# Altium PCB Graviton-EC2.PcbDoc (part 11 of 12) (continued)
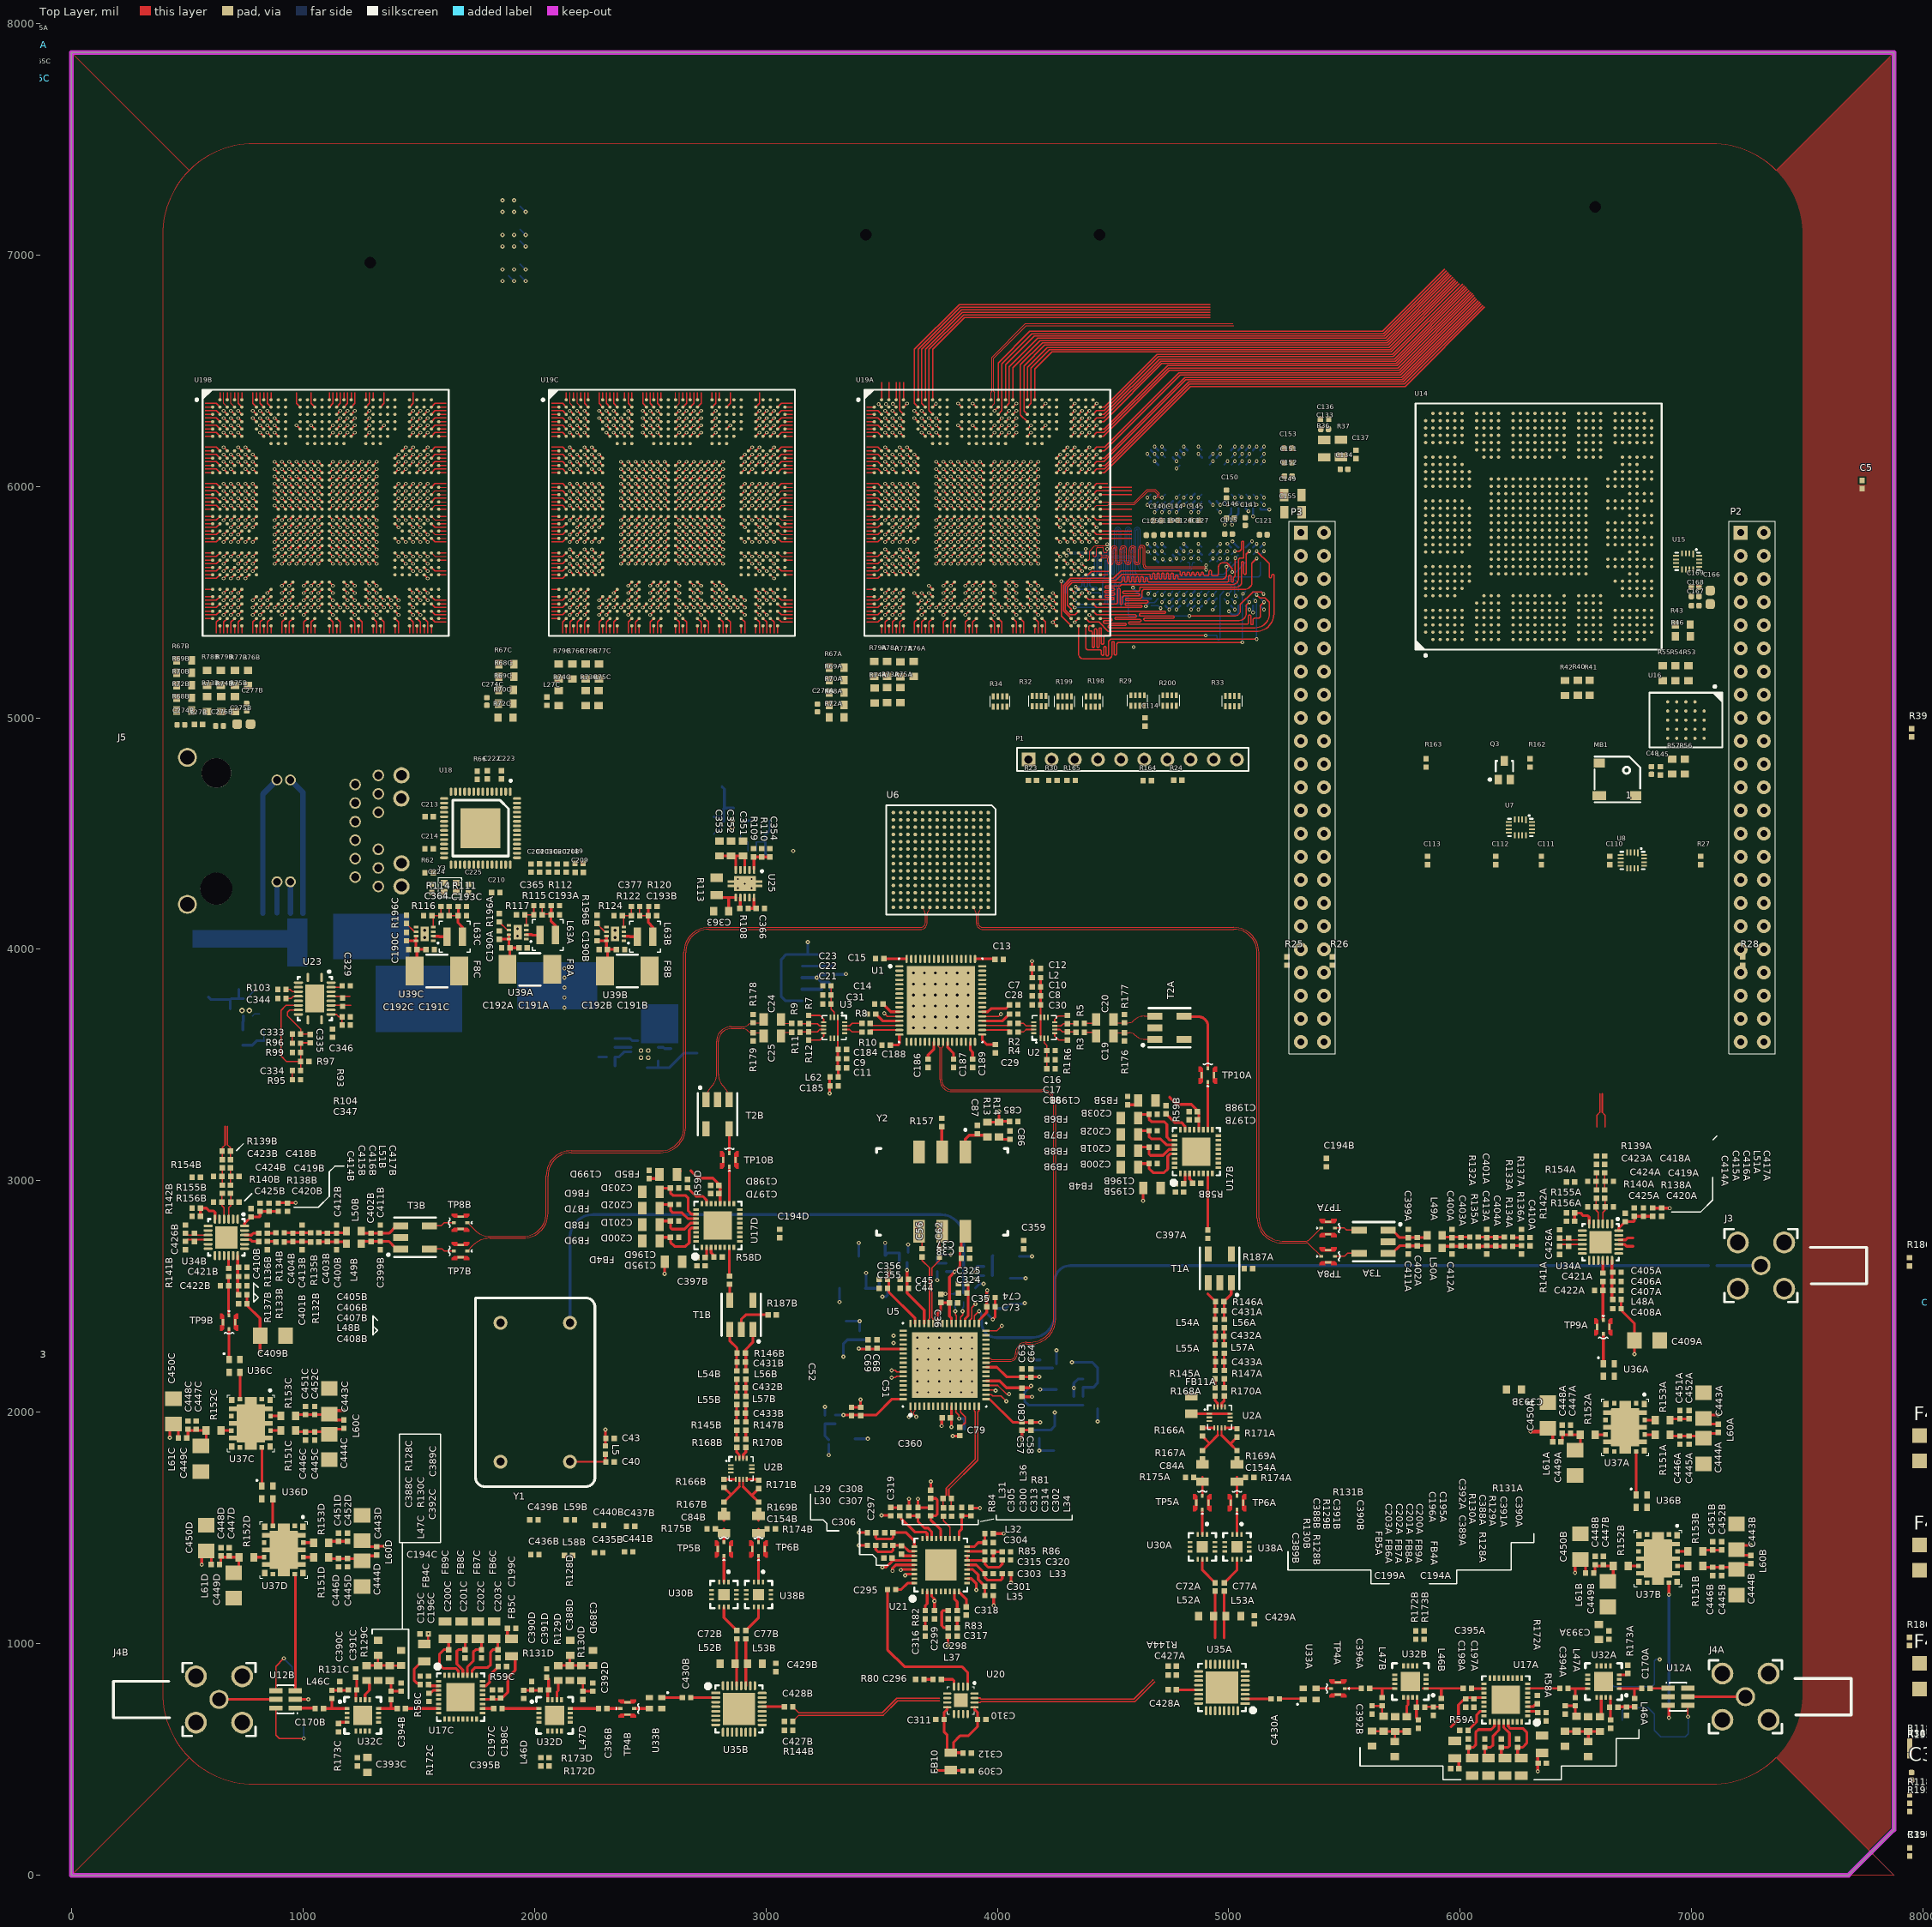
[diagram p0: Top Layer view]
## Nets (pads, with @x,y where several pads share a name; then routed paths per layer and width w, separated by ;. In a path a pad name is that pad's centre, name@x,y a point inside that pad or via, vN(x,y) a via of type N, cw(c..) or ccw(c..) an arc to the next point about the centre after c; other vN are vias at no path point) (continued)
TX2-BANK4-DA16.A0: U19C.AM28 | length 32.1
  Top Layer w4.72: 2956.69,5365.55 U19C.AM28@2956.69,5397.64
TX2-BANK4-DA16.A1: U19C.AM29 | length 32.1
  Top Layer w4.72: 2988.19,5365.55 U19C.AM29@2988.19,5397.64
TX2-BANK4-DA16.A2: U19C.AL28 | length 70.1
  Top Layer w4.72: U19C.AL28@2956.69,5429.13 2972.44,5413.39 2972.44,5365.55
TX2-BANK4-DA16.A3: U19C.AK28 | length 22.3
  Top Layer w5: U19C.AK28@2956.69,5460.63 v1(2972.44,5444.88)
TX2-BANK4-DA16.A4: U19C.AK32 | length 32.1
  Top Layer w4.72: U19C.AK32@3082.68,5460.63 3114.76,5460.63
TX2-BANK4-DA16.A5: U19C.AJ32 | length 32.1
  Top Layer w4.72: U19C.AJ32@3082.68,5492.13 3114.76,5492.13
TX2-BANK4-DA16.A6: U19C.AM30 | length 32.1
  Top Layer w4.72: 3019.69,5365.55 U19C.AM30@3019.69,5397.64
TX2-BANK4-DA16.A7: U19C.AL30 | length 70.1
  Top Layer w4.72: U19C.AL30@3019.69,5429.13 3035.43,5413.39 3035.43,5365.55
TX2-BANK4-DA16.A8: U19C.AK31 | length 70.1
  Top Layer w4.72: U19C.AK31@3051.18,5460.63 3066.93,5444.88 3114.76,5444.88
TX2-BANK4-DA16.A9: U19C.AJ31 | length 70.1
  Top Layer w4.72: U19C.AJ31@3051.18,5492.13 3066.93,5476.38 3114.76,5476.38
TX2-BANK4-DA16.A10: U19C.AM31 | length 32.1
  Top Layer w4.72: 3051.18,5365.55 U19C.AM31@3051.18,5397.64
TX2-BANK4-DA16.A11: U19C.AL32 | length 32.1
  Top Layer w4.72: U19C.AL32@3082.68,5429.13 3114.76,5429.13
TX2-BANK4-DA16.A12: U19C.AG28 | length 22.3
  Top Layer w5: U19C.AG28@2956.69,5555.12 v1(2972.44,5539.37)
TX2-BANK4-DA16.A13: U19C.AG29 | length 22.3
  Top Layer w5: U19C.AG29@2988.19,5555.12 v1(3003.94,5539.37)
TX2-BANK4-DA16.A14: U19C.AJ28 | length 22.3
  Top Layer w5: U19C.AJ28@2956.69,5492.13 v1(2972.44,5476.38)
TX2-BANK4-DA16.A15: U19C.AH28 | length 22.3
  Top Layer w5: U19C.AH28@2956.69,5523.62 v1(2972.44,5507.87)
TX2-BANK4-DB3.B0: U19C.AH30 | length 22.3
  Top Layer w5: U19C.AH30@3019.68,5523.62 v1(3035.43,5507.87)
TX2-BANK4-DB3.B1: U19C.AG30 | length 22.3
  Top Layer w5: U19C.AG30@3019.68,5555.12 v1(3035.43,5539.37)
TX2-BANK4-DB3.B2: U19C.AK29 | length 22.3
  Top Layer w5: U19C.AK29@2988.19,5460.63 v1(3003.94,5444.88)
TX2-DDRCC6.S0: U19C.P5 | length 22.3
  Top Layer w5: v1(2216.54,5980.32) U19C.P5@2232.28,5964.57
TX2-DDRCC6.S1: U19C.P4 | length 22.3
  Top Layer w5: v1(2185.04,5980.32) U19C.P4@2200.79,5964.57
TX2-DDRCC6.S2: U19C.R7 | length 22.3
  Top Layer w5: v1(2279.53,5948.82) U19C.R7@2295.28,5933.07
TX2-DDRCC6.S3: U19C.T7 | length 22.3
  Top Layer w5: v1(2279.53,5917.32) U19C.T7@2295.28,5901.57
TX2-DDRCC6.S4: U19C.R6 | length 22.3
  Top Layer w5: v1(2248.03,5948.82) U19C.R6@2263.78,5933.07
TX2-DDRCC6.S5: U19C.T6 | length 22.3
  Top Layer w5: v1(2248.03,5917.32) U19C.T6@2263.78,5901.57
TX2-DDRCC6.S6: U19C.U6 | length 22.3
  Top Layer w5: v1(2248.03,5854.33) U19C.U6@2263.78,5870.08
TX2-DDRCC6.S7: U19C.U7 | length 22.3
  Top Layer w5: v1(2279.53,5854.33) U19C.U7@2295.28,5870.08
TX2-DDRCC6.S8: U19C.R4 | length 22.3
  Top Layer w5: v1(2185.04,5948.82) U19C.R4@2200.79,5933.07
TX2-DDRCC6.S9: U19C.T5 | length 22.3
  Top Layer w5: v1(2216.54,5917.32) U19C.T5@2232.28,5901.57
TX2-DDRCC6.S10: U19C.T4 | length 22.3
  Top Layer w5: v1(2185.04,5917.32) U19C.T4@2200.79,5901.57
TX2-DDRCC6.S11: U19C.U5 | length 22.3
  Top Layer w5: v1(2216.54,5854.33) U19C.U5@2232.28,5870.08
TX2-DDRCC6.S12: U19C.U4 | length 22.3
  Top Layer w5: v1(2185.04,5854.33) U19C.U4@2200.79,5870.08
TX2-DDRCC6.S13: U19C.V6 | length 22.3
  Top Layer w5: v1(2248.03,5822.83) U19C.V6@2263.78,5838.58
TX2-DDRCC6.S14: U19C.V7 | length 22.3
  Top Layer w5: v1(2279.53,5822.83) U19C.V7@2295.28,5838.58
TX2-DDRCC6.S15: U19C.P2 | length 70.1
  Top Layer w4.72: 2074.21,5980.32 2122.05,5980.32 U19C.P2@2137.8,5964.57
TX2-DDRCC6.S16: U19C.P3 | length 22.3
  Top Layer w5: v1(2153.54,5980.32) U19C.P3@2169.29,5964.57
TX2-DDRCC6.S40: U19C.AB6 | length 22.3
  Top Layer w5: v1(2248.03,5728.35) U19C.AB6@2263.78,5712.6
TX2-DDRCC6.S41: U19C.AC7 | length 22.3
  Top Layer w5: v1(2279.53,5665.35) U19C.AC7@2295.28,5681.1
TX2-DDRCC6.S42: U19C.AD7 | length 22.3
  Top Layer w5: v1(2279.53,5633.86) U19C.AD7@2295.28,5649.61
TX2-DDRCC6.S43: U19C.AD6 | length 22.3
  Top Layer w5: v1(2248.03,5665.35) U19C.AD6@2263.78,5649.61
TX2-DDRCC6.S44: U19C.AE6 | length 22.3
  Top Layer w5: v1(2248.03,5633.86) U19C.AE6@2263.78,5618.11
TX2-DDRCC6.S45: U19C.AE5 | length 22.3
  Top Layer w5: v1(2216.54,5633.86) U19C.AE5@2232.28,5618.11
TX2-DDRCC6.S46: U19C.AE4 | length 22.3
  Top Layer w5: v1(2185.04,5633.86) U19C.AE4@2200.79,5618.11
TX-SWA: R186A.1 U11A.7 U12A.4 | length 555
  Top Layer w4.72: v3@6983.27,685.04 U12A.4@6983.27,734.25
  Bottom Layer w4.72: U11A.7@6699.41,669.15 6699.41,711.22 6712.6,724.41 6811.02,724.41 6838.58,696.85 6838.58,625.98 6866.14,598.43 6972.44,598.43 6984.25,610.24 v3(6984.25,685.04)
TX-SWB: R186B.1 U11B.7 U12B.4 | length 243.9
  Top Layer w4.72: U12B.4@882.87,797.24 882.87,902.56 v3(917.32,937.01)
  Bottom Layer w4.72: v3(917.32,937.01) 954.13,900.2 U11B.7@954.13,862.34
TXBBICA_N: C410A.1 R134A.2 R136A.1 U34A.22 | length 99.4
  Top Layer w11.81: R134A.2@6228.74,2719.69 R136A.1@6263.78,2719.69 ; U34A.22@6685.04,2745.08 6714.57,2745.08 6722.64,2753.15 6746.06,2753.15
TXBBICA_P: C410A.2 R133A.2 R137A.2 U34A.21 | length 99.4
  Top Layer w11.81: R133A.2@6228.74,2754.72 R137A.2@6263.78,2754.72 ; U34A.21@6685.04,2725.39 6710.63,2725.39 6718.7,2717.32 6746.06,2717.32
TXBBICB_N: C410B.1 R134B.2 R136B.1 U34B.22 | length 99.4
  Top Layer w11.81: U34B.22@748.03,2765.75 777.56,2765.75 785.63,2773.82 C410B.1@809.06,2773.82 ; R136B.1@846.46,2773.43 R134B.2@881.5,2773.43
TXBBICB_P: C410B.2 R133B.2 R137B.2 U34B.21 | length 99.4
  Top Layer w11.81: U34B.21@748.03,2746.06 773.62,2746.06 781.69,2737.99 C410B.2@809.06,2737.99 ; R137B.2@846.46,2738.39 R133B.2@881.5,2738.39
TXLO0_N: C423A.2 R139A.1 R188.1 U20.14 | length 960.1
  Top Layer w5.98: U20.14@3905.51,746.06 3926.22,746.06 3930.57,750.41 4594.69,750.41 4680.01,835.74 ; 6590.35,3268.7 6590.35,3283.5 6602.78,3295.93 6602.78,3375.98 ; 6590.55,3232.48 6590.55,3268.5
TXLO0_P: C418A.2 R139A.2 R143.1 U20.15 | length 951
  Top Layer w5.98: U20.15@3905.51,765.75 3926.22,765.75 3930.57,761.4 4590.14,761.4 4672.24,843.5 ; 6613.76,3375.98 6613.76,3295.93 6626.18,3283.5 6626.18,3268.7 ; 6625.98,3232.48 6625.98,3268.5
TXLO1_N: C423B.2 R139B.1 R189.1 U20.12 | length 148.5
  Top Layer w5.98: R139B.1@651.38,3127.95 651.38,3142.76 663.8,3155.18 663.8,3235.24 ; C423B.2@651.57,3091.73 R139B.1@651.57,3127.76
TXLO1_P: C418B.2 R139B.2 R190.1 U20.11 | length 148.5
  Top Layer w5.98: 674.78,3235.24 674.78,3155.18 687.2,3142.76 R139B.2@687.2,3127.95 ; C418B.2@687.01,3091.73 R139B.2@687.01,3127.76
TXLOICA_N: C425A.2 R140A.2 U34A.4 | length 113.2
  Top Layer w5.98: R140A.2@6586.81,2923.23 C425A.2@6586.81,2887.8 6586.81,2872.99 6596.46,2863.35 U34A.4@6596.46,2813.98
TXLOICA_P: C420A.2 R138A.2 U34A.3 | length 113.2
  Top Layer w5.98: U34A.3@6616.14,2813.98 6616.14,2863.35 6625.79,2872.99 C420A.2@6625.79,2887.8 R138A.2@6625.79,2923.23
TXLOICB_N: C425B.2 R140B.2 U34B.4 | length 113.2
  Top Layer w5.98: R140B.2@649.8,2943.9 C425B.2@649.8,2908.46 649.8,2893.66 659.45,2884.02 U34B.4@659.45,2834.65
TXLOICB_P: C420B.2 R138B.2 U34B.3 | length 113.2
  Top Layer w5.98: U34B.3@679.13,2834.65 679.13,2884.02 688.78,2893.66 C420B.2@688.78,2908.46 R138B.2@688.78,2943.9
TXPA-INA: TP9A.A U36A.1 | length 135.8
  Top Layer w11.81: U36A.1@6618.11,2203.74 TP9A.A@6618.11,2339.57
TXPA-INB: U36B.1 U37A.16 | length 187.2
  Top Layer w11.81: U36B.1@6759.84,1643.7 U37A.16@6759.84,1826.77 ; U37A.16@6759.84,1830.71 U37A.16@6762.8,1827.76
TXPA-INC: TP9B.A U36C.1 | length 135.8
  Top Layer w11.81: U36C.1@681.1,2224.41 TP9B.A@681.1,2360.24
TXPA-IND: U36D.1 U37C.16 | length 167.3
  Top Layer w11.81: U36D.1@822.83,1681.1 U37C.16@822.83,1848.43
UART0-RX: P2.18
UART0-TX: P2.17
V0V75: U19A.J7 U19B.J7 U19C.J7 | length 66.8
  Top Layer w5: v1(783.46,6137.8) U19B.J7@799.21,6122.05 ; v1(2279.53,6137.8) U19C.J7@2295.28,6122.05 ; v1(3641.73,6137.8) U19A.J7@3657.48,6122.05
VCC-CORE: C172.2 C173.2 C174.2 C175.2 C176.2 C177.2 C178.2 C179.2 C180.2 C181.2 C182.2 C183.2 L18.2 U14.AA12 U14.AA13 U14.AA14 U14.AA15 U14.AA16 U14.AA17 U14.AA18 U14.AA19 U14.AA20 U14.AA21 U14.M12 U14.M13 U14.M14 U14.M15 U14.M16 U14.M17 U14.M18 U14.M19 U14.M20 U14.M21 U14.N12 U14.N21 U14.P12 U14.P21 U14.R12 U14.R21 U14.T12 U14.T21 U14.U12 U14.U21 U14.V12 U14.V21 U14.W12 U14.W21 U14.Y12 U14.Y21
VCC-COREA: C279A.2 C284A.2 C285A.2 C286A.2 C287A.2 C288A.2 C289A.2 C290A.2 C291A.2 C292A.2 C293A.2 C294A.2 L28A.2 U19A.AA12 U19A.AA13 U19A.AA14 U19A.AA15 U19A.AA16 U19A.AA17 U19A.AA18 U19A.AA19 U19A.AA20 U19A.AA21 U19A.M12 U19A.M13 U19A.M14 U19A.M15 U19A.M16 U19A.M17 U19A.M18 U19A.M19 U19A.M20 U19A.M21 U19A.N12 U19A.N21 U19A.P12 U19A.P21 U19A.R12 U19A.R21 U19A.T12 U19A.T21 U19A.U12 U19A.U21 U19A.V12 U19A.V21 U19A.W12 U19A.W21 U19A.Y12 U19A.Y21 | length 801.8
  Top Layer w5: v1(3799.21,5728.35) U19A.AA12@3814.96,5744.09 ; v1(3799.21,5759.84) U19A.Y12@3814.96,5775.59 ; v1(3799.21,5791.34) U19A.W12@3814.96,5807.09 ; v1(3799.21,5822.83) U19A.V12@3814.96,5838.58 ; v1(3799.21,5854.33) U19A.U12@3814.96,5870.08 ; v1(3799.21,5917.32) U19A.T12@3814.96,5901.57 ; v1(3799.21,5948.82) U19A.R12@3814.96,5933.07 ; v1(3799.21,5980.32) U19A.P12@3814.96,5964.57 ; v1(3799.21,6011.81) U19A.N12@3814.96,5996.06 ; v1(3799.21,6043.31) U19A.M12@3814.96,6027.56 ; v1(3830.71,5728.35) U19A.AA13@3846.46,5744.09 ; v1(3830.71,6043.31) U19A.M13@3846.46,6027.56 ; v1(3862.2,5728.35) U19A.AA14@3877.95,5744.09 ; v1(3862.2,6043.31) U19A.M14@3877.95,6027.56 ; v1(3893.7,5728.35) U19A.AA15@3909.45,5744.09 ; v1(3893.7,6043.31) U19A.M15@3909.45,6027.56 ; v1(3925.2,5728.35) U19A.AA16@3940.94,5744.09 ; v1(3925.2,6043.31) U19A.M16@3940.94,6027.56 ; U19A.AA17@3972.44,5744.09 v1(3988.19,5728.35) ; U19A.M17@3972.44,6027.56 v1(3988.19,6043.31) ; U19A.AA18@4003.94,5744.09 v1(4019.68,5728.35) ; U19A.M18@4003.94,6027.56 v1(4019.68,6043.31) ; U19A.AA19@4035.43,5744.09 v1(4051.18,5728.35) ; U19A.M19@4035.43,6027.56 v1(4051.18,6043.31) ; U19A.AA20@4066.93,5744.09 v1(4082.68,5728.35) ; U19A.M20@4066.93,6027.56 v1(4082.68,6043.31) ; U19A.AA21@4098.43,5744.09 v1(4114.17,5728.35) ; U19A.Y21@4098.43,5775.59 v1(4114.17,5759.84) ; U19A.W21@4098.43,5807.09 v1(4114.17,5791.34) ; U19A.V21@4098.43,5838.58 v1(4114.17,5822.83) ; U19A.U21@4098.43,5870.08 v1(4114.17,5854.33) ; U19A.T21@4098.43,5901.57 v1(4114.17,5917.32) ; U19A.R21@4098.43,5933.07 v1(4114.17,5948.82) ; U19A.P21@4098.43,5964.57 v1(4114.17,5980.32) ; U19A.N21@4098.43,5996.06 v1(4114.17,6011.81) ; U19A.M21@4098.43,6027.56 v1(4114.17,6043.31)
VCC-COREB: C279B.2 C284B.2 C285B.2 C286B.2 C287B.2 C288B.2 C289B.2 C290B.2 C291B.2 C292B.2 C293B.2 C294B.2 L28B.2 U19B.AA12 U19B.AA13 U19B.AA14 U19B.AA15 U19B.AA16 U19B.AA17 U19B.AA18 U19B.AA19 U19B.AA20 U19B.AA21 U19B.M12 U19B.M13 U19B.M14 U19B.M15 U19B.M16 U19B.M17 U19B.M18 U19B.M19 U19B.M20 U19B.M21 U19B.N12 U19B.N21 U19B.P12 U19B.P21 U19B.R12 U19B.R21 U19B.T12 U19B.T21 U19B.U12 U19B.U21 U19B.V12 U19B.V21 U19B.W12 U19B.W21 U19B.Y12 U19B.Y21 | length 801.8
  Top Layer w10: v1(940.94,5728.35) U19B.AA12@956.69,5744.09 ; v1(940.94,5759.84) U19B.Y12@956.69,5775.59 ; v1(940.94,5791.34) U19B.W12@956.69,5807.09 ; v1(940.94,5822.83) U19B.V12@956.69,5838.58 ; v1(940.94,5854.33) U19B.U12@956.69,5870.08 ; v1(940.94,5917.32) U19B.T12@956.69,5901.57 ; v1(940.94,5948.82) U19B.R12@956.69,5933.07 ; v1(940.94,5980.32) U19B.P12@956.69,5964.57 ; v1(940.94,6011.81) U19B.N12@956.69,5996.06 ; v1(940.94,6043.31) U19B.M12@956.69,6027.56 ; v1(972.44,5728.35) U19B.AA13@988.19,5744.09 ; v1(972.44,6043.31) U19B.M13@988.19,6027.56 ; v1(1003.94,5728.35) U19B.AA14@1019.68,5744.09 ; v1(1003.94,6043.31) U19B.M14@1019.68,6027.56 ; v1(1035.43,5728.35) U19B.AA15@1051.18,5744.09 ; v1(1035.43,6043.31) U19B.M15@1051.18,6027.56 ; v1(1066.93,5728.35) U19B.AA16@1082.68,5744.09 ; v1(1066.93,6043.31) U19B.M16@1082.68,6027.56 ; U19B.AA17@1114.17,5744.09 v1(1129.92,5728.35) ; U19B.M17@1114.17,6027.56 v1(1129.92,6043.31) ; U19B.AA18@1145.67,5744.09 v1(1161.42,5728.35) ; U19B.M18@1145.67,6027.56 v1(1161.42,6043.31) ; U19B.AA19@1177.17,5744.09 v1(1192.91,5728.35) ; U19B.M19@1177.17,6027.56 v1(1192.91,6043.31) ; U19B.AA20@1208.66,5744.09 v1(1224.41,5728.35) ; U19B.M20@1208.66,6027.56 v1(1224.41,6043.31) ; U19B.AA21@1240.16,5744.09 v1(1255.91,5728.35) ; U19B.Y21@1240.16,5775.59 v1(1255.91,5759.84) ; U19B.W21@1240.16,5807.09 v1(1255.91,5791.34) ; U19B.V21@1240.16,5838.58 v1(1255.91,5822.83) ; U19B.U21@1240.16,5870.08 v1(1255.91,5854.33) ; U19B.T21@1240.16,5901.57 v1(1255.91,5917.32) ; U19B.R21@1240.16,5933.07 v1(1255.91,5948.82) ; U19B.P21@1240.16,5964.57 v1(1255.91,5980.32) ; U19B.N21@1240.16,5996.06 v1(1255.91,6011.81) ; U19B.M21@1240.16,6027.56 v1(1255.91,6043.31)
VCC-COREC: C279C.2 C284C.2 C285C.2 C286C.2 C287C.2 C288C.2 C289C.2 C290C.2 C291C.2 C292C.2 C293C.2 C294C.2 L28C.2 U19C.AA12 U19C.AA13 U19C.AA14 U19C.AA15 U19C.AA16 U19C.AA17 U19C.AA18 U19C.AA19 U19C.AA20 U19C.AA21 U19C.M12 U19C.M13 U19C.M14 U19C.M15 U19C.M16 U19C.M17 U19C.M18 U19C.M19 U19C.M20 U19C.M21 U19C.N12 U19C.N21 U19C.P12 U19C.P21 U19C.R12 U19C.R21 U19C.T12 U19C.T21 U19C.U12 U19C.U21 U19C.V12 U19C.V21 U19C.W12 U19C.W21 U19C.Y12 U19C.Y21 | length 801.8
  Top Layer w10: v1(2437.01,5728.35) U19C.AA12@2452.76,5744.09 ; v1(2437.01,5759.84) U19C.Y12@2452.76,5775.59 ; v1(2437.01,5791.34) U19C.W12@2452.76,5807.09 ; v1(2437.01,5822.83) U19C.V12@2452.76,5838.58 ; v1(2437.01,5854.33) U19C.U12@2452.76,5870.08 ; v1(2437.01,5917.32) U19C.T12@2452.76,5901.57 ; v1(2437.01,5948.82) U19C.R12@2452.76,5933.07 ; v1(2437.01,5980.32) U19C.P12@2452.76,5964.57 ; v1(2437.01,6011.81) U19C.N12@2452.76,5996.06 ; v1(2437.01,6043.31) U19C.M12@2452.76,6027.56 ; v1(2468.5,5728.35) U19C.AA13@2484.25,5744.09 ; v1(2468.5,6043.31) U19C.M13@2484.25,6027.56 ; v1(2500,5728.35) U19C.AA14@2515.75,5744.09 ; v1(2500,6043.31) U19C.M14@2515.75,6027.56 ; v1(2531.5,5728.35) U19C.AA15@2547.24,5744.09 ; v1(2531.5,6043.31) U19C.M15@2547.24,6027.56 ; v1(2562.99,5728.35) U19C.AA16@2578.74,5744.09 ; v1(2562.99,6043.31) U19C.M16@2578.74,6027.56 ; U19C.AA17@2610.24,5744.09 v1(2625.98,5728.35) ; U19C.M17@2610.24,6027.56 v1(2625.98,6043.31) ; U19C.AA18@2641.73,5744.09 v1(2657.48,5728.35) ; U19C.M18@2641.73,6027.56 v1(2657.48,6043.31) ; U19C.AA19@2673.23,5744.09 v1(2688.98,5728.35) ; U19C.M19@2673.23,6027.56 v1(2688.98,6043.31) ; U19C.AA20@2704.72,5744.09 v1(2720.47,5728.35) ; U19C.M20@2704.72,6027.56 v1(2720.47,6043.31) ; U19C.AA21@2736.22,5744.09 v1(2751.97,5728.35) ; U19C.Y21@2736.22,5775.59 v1(2751.97,5759.84) ; U19C.W21@2736.22,5807.09 v1(2751.97,5791.34) ; U19C.V21@2736.22,5838.58 v1(2751.97,5822.83) ; U19C.U21@2736.22,5870.08 v1(2751.97,5854.33) ; U19C.T21@2736.22,5901.57 v1(2751.97,5917.32) ; U19C.R21@2736.22,5933.07 v1(2751.97,5948.82) ; U19C.P21@2736.22,5964.57 v1(2751.97,5980.32) ; U19C.N21@2736.22,5996.06 v1(2751.97,6011.81) ; U19C.M21@2736.22,6027.56 v1(2751.97,6043.31)
VCCIO0A: C227A.2 C228A.2 C229A.2 C230A.2 C231A.2 L20A.1 U19A.K12 U19A.K14 U19A.K15 U19A.K16 | length 89.1
  Top Layer w5: v1(3799.21,6106.3) U19A.K12@3814.96,6090.55 ; v1(3862.2,6106.3) U19A.K14@3877.95,6090.55 ; v1(3893.7,6106.3) U19A.K15@3909.45,6090.55 ; v1(3925.2,6106.3) U19A.K16@3940.94,6090.55
VCCIO0B: C227B.2 C228B.2 C229B.2 C230B.2 C231B.2 L20B.1 U19B.K12 U19B.K14 U19B.K15 U19B.K16 | length 89.1
  Top Layer w5: v1(940.94,6106.3) U19B.K12@956.69,6090.55 ; v1(1003.94,6106.3) U19B.K14@1019.68,6090.55 ; v1(1035.43,6106.3) U19B.K15@1051.18,6090.55 ; v1(1066.93,6106.3) U19B.K16@1082.68,6090.55
VCCIO0C: C227C.2 C228C.2 C229C.2 C230C.2 C231C.2 L20C.1 U19C.K12 U19C.K14 U19C.K15 U19C.K16 | length 89.1
  Top Layer w5: v1(2437.01,6106.3) U19C.K12@2452.76,6090.55 ; v1(2500,6106.3) U19C.K14@2515.75,6090.55 ; v1(2531.5,6106.3) U19C.K15@2547.24,6090.55 ; v1(2562.99,6106.3) U19C.K16@2578.74,6090.55
VCCIO1A: C233A.2 C234A.2 C235A.2 C236A.2 C237A.2 L21A.1 U19A.K17 U19A.K18 U19A.K19 U19A.K21 | length 89.1
  Top Layer w5: U19A.K17@3972.44,6090.55 v1(3988.19,6106.3) ; U19A.K18@4003.94,6090.55 v1(4019.68,6106.3) ; U19A.K19@4035.43,6090.55 v1(4051.18,6106.3) ; U19A.K21@4098.43,6090.55 v1(4114.17,6106.3)
VCCIO1B: C233B.2 C234B.2 C235B.2 C236B.2 C237B.2 L21B.1 U19B.K17 U19B.K18 U19B.K19 U19B.K21 | length 89.1
  Top Layer w5: U19B.K17@1114.17,6090.55 v1(1129.92,6106.3) ; U19B.K18@1145.67,6090.55 v1(1161.42,6106.3) ; U19B.K19@1177.17,6090.55 v1(1192.91,6106.3) ; U19B.K21@1240.16,6090.55 v1(1255.91,6106.3)
VCCIO1C: C233C.2 C234C.2 C235C.2 C236C.2 C237C.2 L21C.1 U19C.K17 U19C.K18 U19C.K19 U19C.K21 | length 89.1
  Top Layer w5: U19C.K17@2610.24,6090.55 v1(2625.98,6106.3) ; U19C.K18@2641.73,6090.55 v1(2657.48,6106.3) ; U19C.K19@2673.23,6090.55 v1(2688.98,6106.3) ; U19C.K21@2736.22,6090.55 v1(2751.97,6106.3)
VCCIO2: C161.2 C162.2 C163.2 C164.2 C165.2 L17.1 U14.M23 U14.P23 U14.R23 U14.T23
VCCIO2A: C239A.2 C240A.2 C241A.2 C242A.2 C243A.2 L22A.1 U19A.M23 U19A.P23 U19A.R23 U19A.T23 | length 89.1
  Top Layer w5: U19A.T23@4161.42,5901.57 v1(4177.17,5917.32) ; U19A.R23@4161.42,5933.07 v1(4177.17,5948.82) ; U19A.P23@4161.42,5964.57 v1(4177.17,5980.32) ; U19A.M23@4161.42,6027.56 v1(4177.17,6043.31)
VCCIO2B: C239B.2 C240B.2 C241B.2 C242B.2 C243B.2 L22B.1 U19B.M23 U19B.P23 U19B.R23 U19B.T23 | length 89.1
  Top Layer w5: U19B.T23@1303.15,5901.57 v1(1318.9,5917.32) ; U19B.R23@1303.15,5933.07 v1(1318.9,5948.82) ; U19B.P23@1303.15,5964.57 v1(1318.9,5980.32) ; U19B.M23@1303.15,6027.56 v1(1318.9,6043.31)
VCCIO2C: C239C.2 C240C.2 C241C.2 C242C.2 C243C.2 L22C.1 U19C.M23 U19C.P23 U19C.R23 U19C.T23 | length 89.1
  Top Layer w5: U19C.T23@2799.21,5901.57 v1(2814.96,5917.32) ; U19C.R23@2799.21,5933.07 v1(2814.96,5948.82) ; U19C.P23@2799.21,5964.57 v1(2814.96,5980.32) ; U19C.M23@2799.21,6027.56 v1(2814.96,6043.31)
VCCIO3A: C247A.2 C248A.2 C249A.2 C250A.2 C251A.2 L23A.1 U19A.AA23 U19A.U23 U19A.V23 U19A.W23 | length 89.1
  Top Layer w5: U19A.AA23@4161.42,5744.09 v1(4177.17,5728.35) ; U19A.W23@4161.42,5807.09 v1(4177.17,5791.34) ; U19A.V23@4161.42,5838.58 v1(4177.17,5822.83) ; U19A.U23@4161.42,5870.08 v1(4177.17,5854.33)
VCCIO3B: C247B.2 C248B.2 C249B.2 C250B.2 C251B.2 L23B.1 U19B.AA23 U19B.U23 U19B.V23 U19B.W23 | length 89.1
  Top Layer w5: U19B.AA23@1303.15,5744.09 v1(1318.9,5728.35) ; U19B.W23@1303.15,5807.09 v1(1318.9,5791.34) ; U19B.V23@1303.15,5838.58 v1(1318.9,5822.83) ; U19B.U23@1303.15,5870.08 v1(1318.9,5854.33)
VCCIO3C: C247C.2 C248C.2 C249C.2 C250C.2 C251C.2 L23C.1 U19C.AA23 U19C.U23 U19C.V23 U19C.W23 | length 89.1
  Top Layer w5: U19C.AA23@2799.21,5744.09 v1(2814.96,5728.35) ; U19C.W23@2799.21,5807.09 v1(2814.96,5791.34) ; U19C.V23@2799.21,5838.58 v1(2814.96,5822.83) ; U19C.U23@2799.21,5870.08 v1(2814.96,5854.33)
VCCIO4A: C255A.2 C256A.2 C257A.2 L24A.1 U19A.AB23 U19A.AC23 | length 44.5
  Top Layer w5: U19A.AC23@4161.42,5681.1 v1(4177.17,5665.35) ; U19A.AB23@4161.42,5712.6 v1(4177.17,5696.85)
VCCIO4B: C255B.2 C256B.2 C257B.2 L24B.1 U19B.AB23 U19B.AC23 | length 44.5
  Top Layer w5: U19B.AC23@1303.15,5681.1 v1(1318.9,5665.35) ; U19B.AB23@1303.15,5712.6 v1(1318.9,5696.85)
VCCIO4C: C255C.2 C256C.2 C257C.2 L24C.1 U19C.AB23 U19C.AC23 | length 44.5
  Top Layer w5: U19C.AC23@2799.21,5681.1 v1(2814.96,5665.35) ; U19C.AB23@2799.21,5712.6 v1(2814.96,5696.85)
VCCIO6A: C259A.2 C260A.2 C261A.2 C262A.2 C263A.2 L25A.1 U19A.AA10 U19A.U10 U19A.V10 U19A.W10 | length 89.1
  Top Layer w5: v1(3736.22,5728.35) U19A.AA10@3751.97,5744.09 ; v1(3736.22,5791.34) U19A.W10@3751.97,5807.09 ; v1(3736.22,5822.83) U19A.V10@3751.97,5838.58 ; v1(3736.22,5854.33) U19A.U10@3751.97,5870.08
VCCIO6B: C259B.2 C260B.2 C261B.2 C262B.2 C263B.2 L25B.1 U19B.AA10 U19B.U10 U19B.V10 U19B.W10 | length 89.1
  Top Layer w5: v1(877.95,5728.35) U19B.AA10@893.7,5744.09 ; v1(877.95,5791.34) U19B.W10@893.7,5807.09 ; v1(877.95,5822.83) U19B.V10@893.7,5838.58 ; v1(877.95,5854.33) U19B.U10@893.7,5870.08
VCCIO6C: C259C.2 C260C.2 C261C.2 C262C.2 C263C.2 L25C.1 U19C.AA10 U19C.U10 U19C.V10 U19C.W10 | length 89.1
  Top Layer w5: v1(2374.02,5728.35) U19C.AA10@2389.76,5744.09 ; v1(2374.02,5791.34) U19C.W10@2389.76,5807.09 ; v1(2374.02,5822.83) U19C.V10@2389.76,5838.58 ; v1(2374.02,5854.33) U19C.U10@2389.76,5870.08
VCCIO7A: C267A.2 C268A.2 C269A.2 C270A.2 C271A.2 L26A.1 U19A.M10 U19A.P10 U19A.R10 U19A.T10 | length 89.1
  Top Layer w5: v1(3736.22,5917.32) U19A.T10@3751.97,5901.57 ; v1(3736.22,5948.82) U19A.R10@3751.97,5933.07 ; v1(3736.22,5980.32) U19A.P10@3751.97,5964.57 ; v1(3736.22,6043.31) U19A.M10@3751.97,6027.56
VCCIO7B: C267B.2 C268B.2 C269B.2 C270B.2 C271B.2 L26B.1 U19B.M10 U19B.P10 U19B.R10 U19B.T10 | length 89.1
  Top Layer w5: v1(877.95,5917.32) U19B.T10@893.7,5901.57 ; v1(877.95,5948.82) U19B.R10@893.7,5933.07 ; v1(877.95,5980.32) U19B.P10@893.7,5964.57 ; v1(877.95,6043.31) U19B.M10@893.7,6027.56
VCCIO7C: C267C.2 C268C.2 C269C.2 C270C.2 C271C.2 L26C.1 U19C.M10 U19C.P10 U19C.R10 U19C.T10 | length 89.1
  Top Layer w5: v1(2374.02,5917.32) U19C.T10@2389.76,5901.57 ; v1(2374.02,5948.82) U19C.R10@2389.76,5933.07 ; v1(2374.02,5980.32) U19C.P10@2389.76,5964.57 ; v1(2374.02,6043.31) U19C.M10@2389.76,6027.56
VCCIO8: C166.2 C167.2 C168.2 C169.2 C370.2 F2.1 L45.2 R40.2 R41.2 R42.2 R44.2 R45.2 R46.2 R47.2 R48.2 R49.2 R53.2 R54.2 R55.2 R56.2 R57.2 U14.AB10 U14.AC10 U15.13 U16.B4 U22.13
VCCIO8A: C275A.2 C276A.2 C277A.2 F4A.1 L27A.1 R73A.2 R74A.2 R75A.2 U19A.AB10 U19A.AC10 | length 44.5
  Top Layer w5: v1(3736.22,5665.35) U19A.AC10@3751.97,5681.1 ; v1(3736.22,5696.85) U19A.AB10@3751.97,5712.6
VCCIO8B: C275B.2 C276B.2 C277B.2 F4B.1 L27B.1 R73B.2 R74B.2 R75B.2 U19B.AB10 U19B.AC10 | length 44.5
  Top Layer w5: v1(877.95,5665.35) U19B.AC10@893.7,5681.1 ; v1(877.95,5696.85) U19B.AB10@893.7,5712.6
VCCIO8C: C275C.2 C276C.2 C277C.2 F4C.1 L27C.1 R73C.2 R74C.2 R75C.2 U19C.AB10 U19C.AC10 | length 44.5
  Top Layer w5: v1(2374.02,5665.35) U19C.AC10@2389.76,5681.1 ; v1(2374.02,5696.85) U19C.AB10@2389.76,5712.6
VCXO-CTRL: C87.1 R13.2 Y2.1 | length 161.5
  Top Layer w11.81: Y2.1@3861.81,3124.02 3861.81,3180.71 3877.95,3196.85 3948.82,3196.85 R13.2@3956.69,3188.98
VDD-DSAA: C195A.2 C196A.2 FB4A.1 R59A.1 U17A.2 | length 38.6
  Top Layer w11.81: U17A.2@6291.34,708.66 C196A.2@6329.92,708.66
VDD-DSAB: C195B.2 C196B.2 FB4B.1 R59B.1 U17B.2 | length 38.6
  Top Layer w11.81: C196B.2@4811.02,2992.91 U17B.2@4811.02,3031.5
VDD-DSAC: C195C.2 C196C.2 FB4C.1 R59C.1 U17C.2 | length 175.6
  Top Layer w11.81: C195C.2@1511.81,829.53 1493.31,829.53 1480.32,842.52 1480.32,889.76 FB4C.1@1517.72,927.17 ; C196C.2@1548.03,818.9 U17C.2@1586.61,818.9
VDD-DSAD: C195D.2 C196D.2 FB4D.1 R59D.1 U17D.2 | length 38.6
  Top Layer w11.81: C196D.2@2743.7,2674.02 U17D.2@2743.7,2712.6
VDD-LNAA: C384A.2 C385A.2 C386A.2 C387A.2 R128A.1 U31A.B2
VDD-LNAB: C384B.2 C385B.2 C386B.2 C387B.2 R128B.1 U31B.B2
VDD-LNAC: C384C.2 C385C.2 C386C.2 C387C.2 R128C.1 U31C.B2
VDD-LNAD: C384D.2 C385D.2 C386D.2 C387D.2 R128D.1 U31D.B2
VDD_ADC: P3.32
VIN48V: C321.2 C322.2 C323.2 F1.1 R98.2 R158.1 R159.1 | length 55.1
  Bottom Layer w23.62: R158.1@944.88,4119.88 972.44,4119.88 R159.1@1000,4119.88
VREF-CM-ADC: C16.2 C17.2 C18.2 C21.2 C22.2 C23.2 U1.27 U2.2 U3.2 | length 278.2
  Top Layer w5.98: C23.2@3281.69,3842.52 C22.2@3281.69,3803.15 C21.2@3281.69,3763.78 3281.69,3741.93 3295.28,3728.35 U3.2@3295.28,3706.69 ; U2.2@4202.76,3616.14 4202.76,3596.46 4214.37,3584.84 C16.2@4214.37,3562.99 C17.2@4214.37,3523.62 C18.2@4214.37,3484.25
VREF-IO2A: C244A.2 C244B.2 C244C.2 C245A.2 C245B.2 C245C.2 C252A.2 C253A.2 C272A.2 C272B.2 C272C.2 C273A.2 C273B.2 C273C.2 C351.2 C352.2 C353.2 R37.2 U19A.J26 U19A.V29 U19B.J26 U19C.J26 U25.3 U25.5 | length 305.2
  Top Layer w5: U19B.J26@1397.64,6122.05 v1(1413.39,6137.8) ; U19C.J26@2893.7,6122.05 v1(2909.45,6137.8) ; U19A.J26@4255.91,6122.05 v1(4271.65,6137.8) ; U19A.V29@4350.39,5838.58 v1(4366.14,5822.83)
  Top Layer w11.81: C353.2@2799.21,4403.66 C352.2@2850.39,4403.66 C351.2@2901.57,4403.66 2909.45,4395.79 U25.3@2909.45,4346.46 ; U25.5@2870.08,4346.46 2870.08,4399.72
VREF-IO3B: C252B.2 C253B.2 U19B.V29 | length 22.3
  Top Layer w5: U19B.V29@1492.13,5838.58 v1(1507.87,5822.83)
VREF-IO3C: C252C.2 C253C.2 U19C.V29 | length 22.3
  Top Layer w5: U19C.V29@2988.19,5838.58 v1(3003.94,5822.83)
VREF-IO5A: U19A.V4 | length 22.3
  Top Layer w5: v1(3547.24,5822.83) U19A.V4@3562.99,5838.58
VREF-IO5B: U19B.V4 | length 22.3
  Top Layer w5: v1(688.98,5822.83) U19B.V4@704.72,5838.58
VREF-IO5C: U19C.V4 | length 22.3
  Top Layer w5: v1(2185.04,5822.83) U19C.V4@2200.79,5838.58
VREF-IO6A: C264A.2 C265A.2
VREF-IO6B: C264B.2 C265B.2
VREF-IO6C: C264C.2 C265C.2
VSS-DSAA: C197A.2 C198A.2 FB5A.1 U17A.20 | length 230.8
  Top Layer w11.81: 5960.63,641.73 5992.13,673.23 5992.13,736.22 6023.62,767.72 U17A.20@6102.36,767.72
VSS-DSAB: C197B.2 C198B.2 FB5B.1 U17B.20 | length 230.8
  Top Layer w11.81: 4744.09,3362.2 4775.59,3330.71 4838.58,3330.71 4870.08,3299.21 U17B.20@4870.08,3220.47
VSS-DSAC: C197C.2 C198C.2 FB5C.1 U17C.20 | length 298.2
  Top Layer w11.81: U17C.20@1775.59,759.84 1854.33,759.84 1885.83,791.34 1885.83,854.33 1917.32,885.83 1917.32,930.91 FB5C.1@1901.57,946.65
VSS-DSAD: C197D.2 C198D.2 FB5D.1 U17D.20 | length 253.1
  Top Layer w11.81: FB5D.1@2615.94,3027.56 FB5D.1@2631.69,3043.31 ; 2676.77,3043.31 2708.27,3011.81 2771.26,3011.81 2802.76,2980.31 U17D.20@2802.76,2901.57
VXO_N: C62.2 U5.43 | length 302.6
  Top Layer w5.98: U5.43@3723.43,2383.86 3723.43,2402.6 3718.09,2407.93 3718.09,2624.55 3750,2656.46 C62.2@3750,2671.06
VXO_P: C56.1 U5.44 | length 301.8
  Top Layer w5.98: C56.1@3675.2,2671.06 3675.2,2656.46 3707.11,2624.55 3707.11,2405.96 3703.74,2402.6 U5.44@3703.74,2383.86
XTAL-IN: C225.2 U18.34 Y3.1
XTAL-OUT: C224.2 U18.33 Y3.3
ZQ: R35.1 R38.1 U9.L8 U10.L8
  other v2: 4994.5,5499.75 4994.5,5919.75